# KiCad board Panel_R0.5.1_300x300_2layer_step1.kicad_pcb (continued)
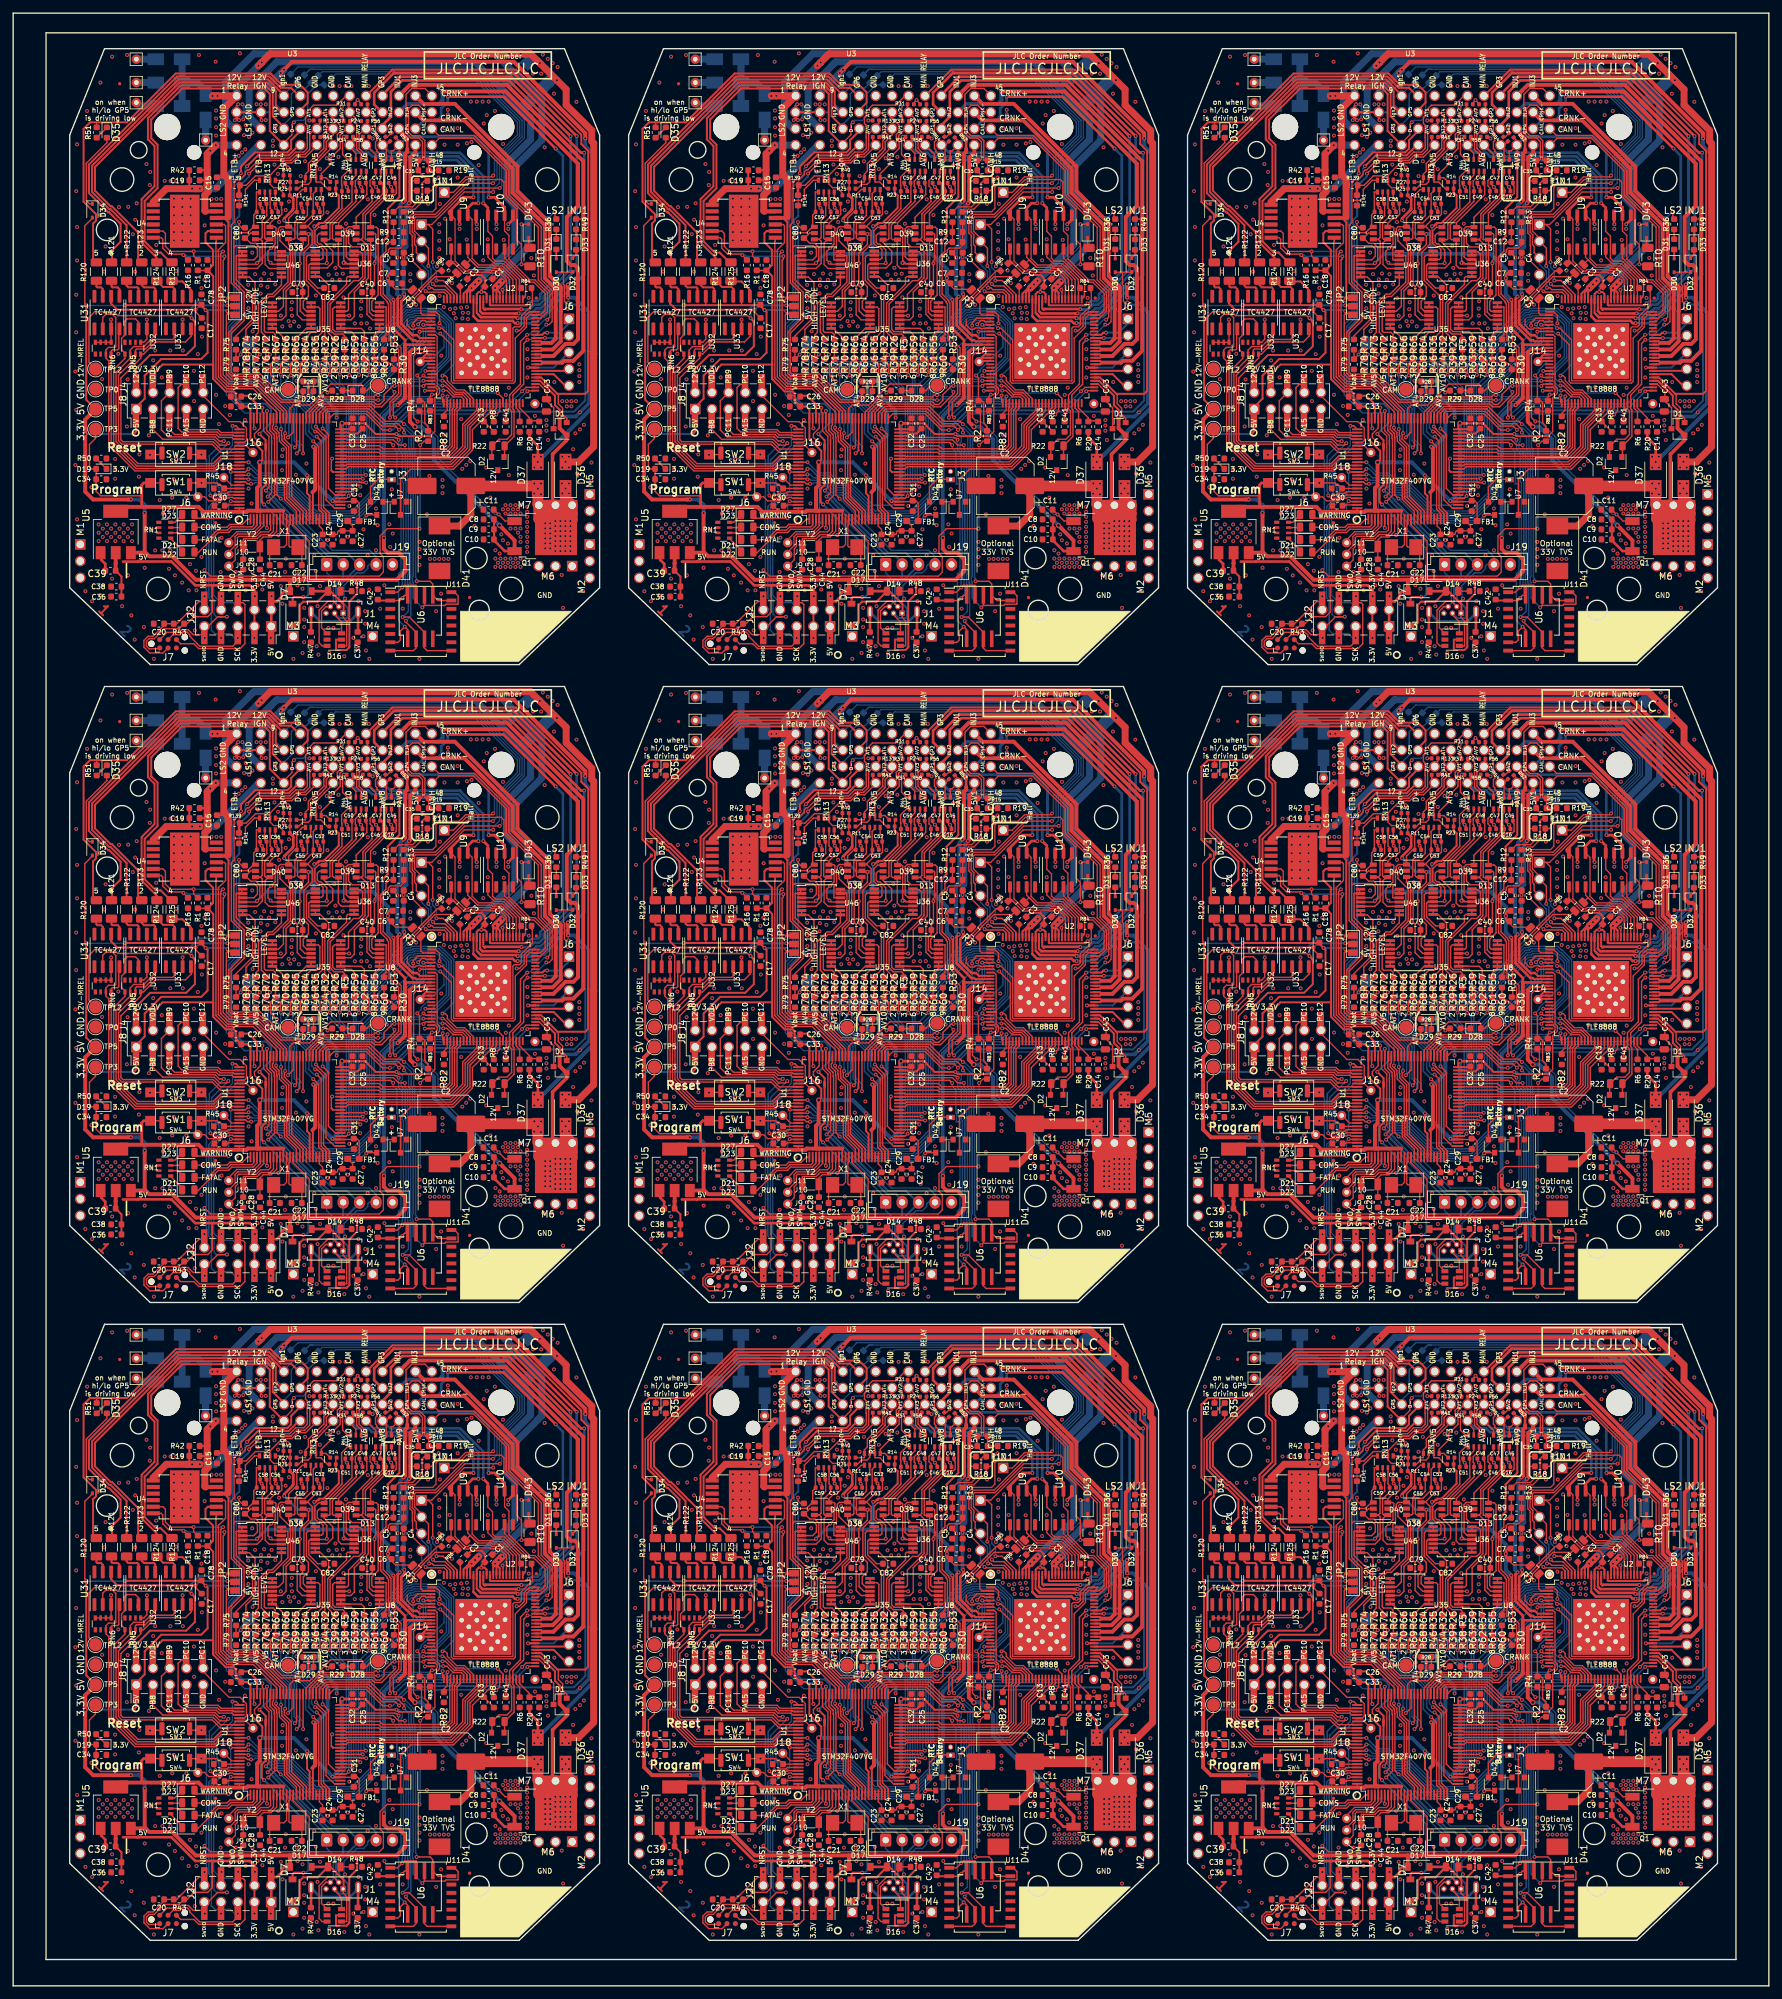
[diagram p0: board, top side]
## Routing (per net, layer and track width the routed paths; a pad name or vN(x,y) marks a point on that pad's centre or on a via; arc(x,y) is an arc through that point) (continued)
Net-(C17-Pad1): length 199.8
  Top w0.216: v1(112.75,254.9) 112.75,254.57 C17#2.1 ; v1(197.75,254.9) 197.75,254.57 C17#3.1 ; v1(197.75,157.9) 197.75,157.57 C17#5.1 ; v1(27.75,157.9) 27.75,157.57 C17#6.1 ; v1(112.75,157.9) 112.75,157.57 C17#4.1 ; v1(27.75,60.9) 27.75,60.57 C17#9.1 ; C17#8.1 112.75,60.57 v1(112.75,60.9) ; v1(197.75,60.9) 197.75,60.57 C17#7.1 ; C17.1 27.75,254.57 v1(27.75,254.9)
  Top w0.305: v1(112.75,254.9) 112.74,254.9 100.84,254.9 99.9,255.84 99.9,256.84 ; JP2#2.2 118.62,255.56 v1(117.58,255.56) 117.59,255.57 ; 202.59,255.57 v1(202.58,255.56) 203.62,255.56 JP2#3.2 ; v1(197.75,254.9) 197.74,254.9 185.84,254.9 184.9,255.84 184.9,256.84 ; 202.59,158.57 v1(202.58,158.56) 203.62,158.56 JP2#5.2 ; 184.9,159.84 184.9,158.84 185.84,157.9 197.74,157.9 v1(197.75,157.9) ; v1(27.75,157.9) 27.74,157.9 15.84,157.9 14.9,158.84 14.9,159.84 ; JP2#6.2 33.62,158.56 v1(32.58,158.56) 32.59,158.57 ; 117.59,158.57 v1(117.58,158.56) 118.62,158.56 JP2#4.2 ; v1(112.75,157.9) 112.74,157.9 100.84,157.9 99.9,158.84 99.9,159.84 ; v1(27.75,60.9) 27.74,60.9 15.84,60.9 14.9,61.84 14.9,62.84 ; JP2#9.2 33.62,61.56 v1(32.58,61.56) 32.59,61.57 ; 99.9,62.84 99.9,61.84 100.84,60.9 112.74,60.9 v1(112.75,60.9) ; JP2#7.2 118.62,61.56 v1(117.58,61.56) 117.59,61.57 ; 184.9,62.84 184.9,61.84 185.84,60.9 197.74,60.9 v1(197.75,60.9) ; JP2#8.2 203.62,61.56 v1(202.58,61.56) 202.59,61.57 ; 32.59,255.57 v1(32.58,255.56) 33.62,255.56 JP2.2 ; v1(27.75,254.9) 27.74,254.9 15.84,254.9 14.9,255.84 14.9,256.84
  Bottom w0.305: v1(117.58,255.56) 113.41,255.56 v1(112.75,254.9) ; v1(202.58,255.56) 198.41,255.56 v1(197.75,254.9) ; v1(202.58,158.56) 198.41,158.56 v1(197.75,157.9) ; v1(32.58,158.56) 28.41,158.56 v1(27.75,157.9) ; v1(117.58,158.56) 113.41,158.56 v1(112.75,157.9) ; v1(27.75,60.9) 28.41,61.56 v1(32.58,61.56) ; v1(112.75,60.9) 113.41,61.56 v1(117.58,61.56) ; v1(197.75,60.9) 198.41,61.56 v1(202.58,61.56) ; v1(27.75,254.9) 28.41,255.56 v1(32.58,255.56)
Net-(C21-Pad1): length 80.8
  Top w0.203: U1#2.12 126.59,219.2 126.18,218.8 124.62,218.8 124,218.19 C21#2.1 ; U1#3.12 211.59,219.2 211.18,218.8 209.62,218.8 209,218.19 C21#3.1 ; U1#5.12 211.59,122.2 211.18,121.8 209.62,121.8 209,121.19 C21#5.1 ; U1#4.12 41.59,122.2 41.18,121.8 X1#6.2 39,121.19 C21#4.1 ; U1#6.12 126.59,122.2 126.18,121.8 124.62,121.8 124,121.19 C21#6.1 ; U1#7.12 41.59,25.2 41.18,24.8 X1#9.2 39,24.19 C21#7.1 ; U1#9.12 126.59,25.2 126.18,24.8 124.62,24.8 124,24.19 C21#9.1 ; C21#8.1 209,24.19 209.62,24.8 211.18,24.8 211.59,25.2 U1#8.12 ; U1.12 41.59,219.2 41.18,218.8 X1.2 39,218.19 C21.1
Net-(C22-Pad1): length 80.4
  Top w0.203: 129.21,216.05 128.85,216.05 ; C22#2.1 128.91,218.21 X1#2.1 127.11,218.8 126.94,218.97 126.94,222.13 126.99,222.18 126.99,222.94 U1#2.13 ; 214.21,216.05 213.85,216.05 ; C22#3.1 213.91,218.21 X1#3.1 212.11,218.8 211.94,218.97 211.94,222.13 211.99,222.18 211.99,222.94 U1#3.13 ; 214.21,119.05 213.85,119.05 ; U1#5.13 211.99,125.94 211.99,125.18 211.94,125.13 211.94,121.97 212.11,121.8 X1#4.1 213.91,121.21 C22#5.1 ; 44.21,119.05 43.85,119.05 ; C22#6.1 43.91,121.21 X1#6.1 42.11,121.8 41.94,121.97 41.94,125.13 41.99,125.18 41.99,125.94 U1#4.13 ; 129.21,119.05 128.85,119.05 ; C22#4.1 128.91,121.21 X1#5.1 127.11,121.8 126.94,121.97 126.94,125.13 126.99,125.18 126.99,125.94 U1#6.13 ; 44.21,22.05 43.85,22.05 ; U1#7.13 41.99,28.94 41.99,28.18 41.94,28.13 41.94,24.97 42.11,24.8 X1#9.1 43.91,24.21 C22#8.1 ; 129.21,22.05 128.85,22.05 ; C22#9.1 128.91,24.21 X1#8.1 127.11,24.8 126.94,24.97 126.94,28.13 126.99,28.18 126.99,28.94 U1#9.13 ; C22#7.1 213.91,24.21 X1#7.1 212.11,24.8 211.94,24.97 211.94,28.13 211.99,28.18 211.99,28.94 U1#8.13 ; 214.21,22.05 213.85,22.05 ; C22.1 43.91,218.21 X1.1 42.11,218.8 41.94,218.97 41.94,222.13 41.99,222.18 41.99,222.94 U1.13 ; 44.21,216.05 43.85,216.05
Net-(C25-Pad1): length 33.7
  Top w0.216: 134.77,236.23 U1#2.49 ; 219.77,236.23 U1#3.49 ; 219.77,139.23 U1#5.49 ; 49.77,139.23 U1#4.49 ; 134.77,139.23 U1#6.49 ; 49.77,42.23 U1#7.49 ; 134.77,42.23 U1#9.49 ; 219.77,42.23 U1#8.49 ; 49.77,236.23 U1.49
  Top w0.305: C25#2.1 137.38,236.07 136.13,236.07 135.98,236.22 U1#2.49 ; C25#3.1 222.38,236.07 221.13,236.07 220.98,236.22 U1#3.49 ; U1#5.49 220.98,139.22 221.13,139.07 222.38,139.07 C25#5.1 ; C25#6.1 52.38,139.07 51.13,139.07 50.98,139.22 U1#4.49 ; C25#4.1 137.38,139.07 136.13,139.07 135.98,139.22 U1#6.49 ; U1#7.49 50.98,42.22 51.13,42.07 52.38,42.07 C25#9.1 ; C25#8.1 137.38,42.07 136.13,42.07 135.98,42.22 U1#9.49 ; U1#8.49 220.98,42.22 221.13,42.07 222.38,42.07 C25#7.1 ; C25.1 52.38,236.07 51.13,236.07 50.98,236.22 U1.49
Net-(C26-Pad1): length 45.3
  Top w0.305: 119.71,241.82 120.78,241.82 122.09,240.51 U1#2.73 ; 204.71,241.82 205.78,241.82 207.09,240.51 U1#3.73 ; 204.71,144.82 205.78,144.82 207.09,143.51 U1#5.73 ; 34.71,144.82 35.78,144.82 37.09,143.51 U1#4.73 ; 119.71,144.82 120.78,144.82 122.09,143.51 U1#6.73 ; 34.71,47.82 35.78,47.82 37.09,46.51 U1#7.73 ; 119.71,47.82 120.78,47.82 122.09,46.51 U1#9.73 ; U1#8.73 207.09,46.51 205.78,47.82 204.71,47.82 ; U1.73 37.09,240.51 35.78,241.82 34.71,241.82
Net-(C28-Pad1): length 89.7
  Top w0.203: 124.08,220.7 122.75,220.7 122.53,220.48 122.52,220.48 122.12,220.08 120.09,220.08 120.01,220 Y2#2.1 119.99,218.88 C28#2.1 ; C28#3.1 204.99,218.88 Y2#3.1 205.01,220 205.09,220.08 207.12,220.08 207.52,220.48 207.53,220.48 207.75,220.7 209.08,220.7 ; 39.08,123.7 37.75,123.7 37.53,123.48 37.52,123.48 37.12,123.08 35.09,123.08 35.01,123 Y2#6.1 34.99,121.88 C28#6.1 ; C28#5.1 119.99,121.88 Y2#5.1 120.01,123 120.09,123.08 122.12,123.08 122.52,123.48 122.53,123.48 122.75,123.7 124.08,123.7 ; C28#4.1 204.99,121.88 Y2#4.1 205.01,123 205.09,123.08 207.12,123.08 207.52,123.48 207.53,123.48 207.75,123.7 209.08,123.7 ; C28#8.1 119.99,24.88 Y2#8.1 120.01,26 120.09,26.08 122.12,26.08 122.52,26.48 122.53,26.48 122.75,26.7 124.08,26.7 ; C28#7.1 204.99,24.88 Y2#7.1 205.01,26 205.09,26.08 207.12,26.08 207.52,26.48 207.53,26.48 207.75,26.7 209.08,26.7 ; C28#9.1 34.99,24.88 Y2#9.1 35.01,26 35.09,26.08 37.12,26.08 37.52,26.48 37.53,26.48 37.75,26.7 39.08,26.7 ; C28.1 34.99,218.88 Y2.1 35.01,220 35.09,220.08 37.12,220.08 37.52,220.48 37.53,220.48 37.75,220.7 39.08,220.7
  Top w0.216: 124.08,220.7 124.59,221.21 U1#2.8 ; 209.08,220.7 209.59,221.21 U1#3.8 ; 39.08,123.7 39.59,124.21 U1#4.8 ; 124.08,123.7 124.59,124.21 U1#6.8 ; 209.08,123.7 209.59,124.21 U1#5.8 ; 124.08,26.7 124.59,27.21 U1#9.8 ; 209.08,26.7 209.59,27.21 U1#8.8 ; U1#7.8 39.59,27.21 39.08,26.7 ; 39.08,220.7 39.59,221.21 U1.8
Net-(C44-Pad2): length 70.9
  Top w0.203: U1#2.9 125.09,221.2 124.23,220.34 123.93,220.34 123.93,220.35 123.03,220.35 122.51,219.82 Y2#2.2 122.53,218.88 C44#2.2 ; U1#3.9 210.09,221.2 209.23,220.34 208.93,220.34 208.93,220.35 208.03,220.35 207.51,219.82 Y2#3.2 207.53,218.88 C44#3.2 ; U1#4.9 40.09,124.2 39.23,123.34 38.93,123.34 38.93,123.35 38.03,123.35 37.51,122.82 Y2#6.2 37.53,121.88 C44#6.2 ; U1#6.9 125.09,124.2 124.23,123.34 123.93,123.34 123.93,123.35 123.03,123.35 122.51,122.82 Y2#5.2 122.53,121.88 C44#5.2 ; U1#5.9 210.09,124.2 209.23,123.34 208.93,123.34 208.93,123.35 208.03,123.35 207.51,122.82 Y2#4.2 207.53,121.88 C44#4.2 ; U1#9.9 125.09,27.2 124.23,26.34 123.93,26.34 123.93,26.35 123.03,26.35 122.51,25.82 Y2#8.2 122.53,24.88 C44#8.2 ; U1#8.9 210.09,27.2 209.23,26.34 208.93,26.34 208.93,26.35 208.03,26.35 207.51,25.82 Y2#7.2 207.53,24.88 C44#7.2 ; C44#9.2 37.53,24.88 Y2#9.2 37.51,25.82 38.03,26.35 38.93,26.35 38.93,26.34 39.23,26.34 40.09,27.2 U1#7.9 ; U1.9 40.09,221.2 39.23,220.34 38.93,220.34 38.93,220.35 38.03,220.35 37.51,219.82 Y2.2 37.53,218.88 C44.2
Net-(C45-Pad1): length 240.1
  Top w0.203: C45#2.1 141.73,273.4 141.56,273.57 141.56,275.2 141.73,275.36 RN2#2.7 ; C45#3.1 226.73,273.4 226.56,273.57 226.56,275.2 226.73,275.36 RN2#3.7 ; C45#4.1 56.73,176.4 56.56,176.57 56.56,178.2 56.73,178.36 RN2#4.7 ; C45#6.1 141.73,176.4 141.56,176.57 141.56,178.2 141.73,178.36 RN2#6.7 ; C45#5.1 226.73,176.4 226.56,176.57 226.56,178.2 226.73,178.36 RN2#5.7 ; C45#7.1 56.73,79.4 56.56,79.57 56.56,81.2 56.73,81.36 RN2#7.7 ; C45#8.1 226.73,79.4 226.56,79.57 226.56,81.2 226.73,81.36 RN2#8.7 ; RN2#9.7 141.73,81.36 141.56,81.2 141.56,79.57 141.73,79.4 C45#9.1 ; RN2.7 56.73,275.36 56.56,275.2 56.56,273.57 56.73,273.4 C45.1
  Top w0.216: U8#2.3 139.64,253.36 138.81,254.19 138.81,258.31 139.37,258.87 139.37,265.28 139.71,265.62 ; C45#2.1 141.73,272.48 138.56,269.32 138.56,265.6 138.61,265.55 D13#2.4 ; 224.71,265.62 224.37,265.28 224.37,258.87 223.81,258.31 223.81,254.19 224.64,253.36 U8#3.3 ; C45#3.1 226.73,272.48 223.56,269.32 223.56,265.6 223.61,265.55 D13#3.4 ; U8#6.3 54.64,156.36 53.81,157.19 53.81,161.31 54.37,161.87 54.37,168.28 54.71,168.62 ; C45#4.1 56.73,175.48 53.56,172.32 53.56,168.6 53.61,168.55 D13#4.4 ; 139.71,168.62 139.37,168.28 139.37,161.87 138.81,161.31 138.81,157.19 139.64,156.36 U8#5.3 ; C45#6.1 141.73,175.48 138.56,172.32 138.56,168.6 138.61,168.55 D13#6.4 ; U8#4.3 224.64,156.36 223.81,157.19 223.81,161.31 224.37,161.87 224.37,168.28 224.71,168.62 ; C45#5.1 226.73,175.48 223.56,172.32 223.56,168.6 223.61,168.55 D13#5.4 ; 54.71,71.62 54.37,71.28 54.37,64.87 53.81,64.31 53.81,60.19 54.64,59.36 U8#9.3 ; C45#7.1 56.73,78.48 53.56,75.32 53.56,71.6 53.61,71.55 D13#7.4 ; U8#7.3 224.64,59.36 223.81,60.19 223.81,64.31 224.37,64.87 224.37,71.28 224.71,71.62 ; C45#8.1 226.73,78.48 223.56,75.32 223.56,71.6 223.61,71.55 D13#8.4 ; C45#9.1 141.73,78.48 138.56,75.32 138.56,71.6 138.61,71.55 D13#9.4 ; U8#8.3 139.64,59.36 138.81,60.19 138.81,64.31 139.37,64.87 139.37,71.28 139.71,71.62 ; D13.4 53.61,265.55 53.56,265.6 53.56,269.32 56.73,272.48 C45.1 ; U8.3 54.64,253.36 53.81,254.19 53.81,258.31 54.37,258.87 54.37,265.28 54.71,265.62
Net-(C46-Pad1): length 255
  Top w0.203: RN2#2.6 140.93,274.94 140.79,274.81 C46#2.1 ; RN2#3.6 225.93,274.94 225.8,274.81 C46#3.1 ; RN2#4.6 55.93,177.94 55.8,177.81 C46#4.1 ; RN2#6.6 140.93,177.94 140.79,177.81 C46#6.1 ; RN2#5.6 225.93,177.94 225.8,177.81 C46#5.1 ; C46#7.1 55.8,80.81 55.93,80.94 RN2#7.6 ; C46#8.1 225.8,80.81 225.93,80.94 RN2#8.6 ; C46#9.1 140.79,80.81 140.93,80.94 RN2#9.6 ; C46.1 55.8,274.81 55.93,274.94 RN2.6
  Top w0.216: 137.9,265.55 137.98,265.55 139,264.54 139,259.71 136.88,257.59 136.88,253.88 136.36,253.36 U8#2.12 ; 137.9,265.55 137.9,265.59 137.95,265.64 ; 137.9,265.55 D13#2.3 ; 137.9,265.55 138.19,265.85 138.19,269.47 141.17,272.45 141.17,274.12 141.09,274.2 C46#2.1 ; 222.9,265.55 222.98,265.55 224,264.54 224,259.71 221.88,257.59 221.88,253.88 221.36,253.36 U8#3.12 ; 222.9,265.55 222.9,265.59 222.95,265.64 ; 222.9,265.55 223.19,265.85 223.19,269.47 226.17,272.45 226.17,274.12 226.09,274.2 C46#3.1 ; 222.9,265.55 D13#3.3 ; 52.9,168.55 52.98,168.55 54,167.54 54,162.71 51.88,160.59 51.88,156.88 51.36,156.36 U8#6.12 ; 52.9,168.55 52.9,168.59 52.95,168.64 ; 52.9,168.55 D13#4.3 ; 52.9,168.55 53.19,168.85 53.19,172.47 56.17,175.45 56.17,177.12 56.09,177.2 C46#4.1 ; 137.9,168.55 137.98,168.55 139,167.54 139,162.71 136.88,160.59 136.88,156.88 136.36,156.36 U8#5.12 ; 137.9,168.55 137.9,168.59 137.95,168.64 ; 137.9,168.55 138.19,168.85 138.19,172.47 141.17,175.45 141.17,177.12 141.09,177.2 C46#6.1 ; 137.9,168.55 D13#6.3 ; U8#4.12 221.36,156.36 221.88,156.88 221.88,160.59 224,162.71 224,167.54 222.98,168.55 222.9,168.55 ; C46#5.1 226.09,177.2 226.17,177.12 226.17,175.45 223.19,172.47 223.19,168.85 222.9,168.55 ; 222.9,168.55 222.9,168.59 222.95,168.64 ; 222.9,168.55 D13#5.3 ; 52.9,71.55 52.98,71.55 54,70.54 54,65.71 51.88,63.59 51.88,59.88 51.36,59.36 U8#9.12 ; 52.9,71.55 52.9,71.59 52.95,71.64 ; 52.9,71.55 53.19,71.85 53.19,75.47 56.17,78.45 56.17,80.12 56.09,80.2 C46#7.1 ; 52.9,71.55 D13#7.3 ; U8#7.12 221.36,59.36 221.88,59.88 221.88,63.59 224,65.71 224,70.54 222.98,71.55 222.9,71.55 ; 222.9,71.55 222.9,71.59 222.95,71.64 ; 222.9,71.55 223.19,71.85 223.19,75.47 226.17,78.45 226.17,80.12 226.09,80.2 C46#8.1 ; 222.9,71.55 D13#8.3 ; 137.95,71.64 137.9,71.59 137.9,71.55 ; 137.9,71.55 138.19,71.85 138.19,75.47 141.17,78.45 141.17,80.12 141.09,80.2 C46#9.1 ; 137.9,71.55 D13#9.3 ; 137.9,71.55 137.98,71.55 139,70.54 139,65.71 136.88,63.59 136.88,59.88 136.36,59.36 U8#8.12 ; C46.1 56.09,274.2 56.17,274.12 56.17,272.45 53.19,269.47 53.19,265.85 52.9,265.55 ; 52.95,265.64 52.9,265.59 52.9,265.55 ; 52.9,265.55 D13.3 ; 52.9,265.55 52.98,265.55 54,264.54 54,259.71 51.88,257.59 51.88,253.88 51.36,253.36 U8.12
Net-(C47-Pad1): length 254.2
  Top w0.203: RN2#2.5 140.13,275.36 139.98,275.22 139.95,275.22 139.28,274.54 139.28,273.71 139.57,273.42 C47#2.1 ; RN2#3.5 225.13,275.36 224.98,275.22 224.95,275.22 224.28,274.54 224.28,273.71 224.57,273.42 224.57,272.93 ; RN2#4.5 55.13,178.36 54.98,178.22 54.95,178.22 54.28,177.54 54.28,176.71 54.57,176.42 C47#4.1 ; RN2#6.5 140.13,178.36 139.98,178.22 139.95,178.22 139.28,177.54 139.28,176.71 139.57,176.42 C47#6.1 ; RN2#5.5 225.13,178.36 224.98,178.22 224.95,178.22 224.28,177.54 224.28,176.71 224.57,176.42 224.57,175.93 ; RN2#7.5 55.13,81.36 54.98,81.22 54.95,81.22 54.28,80.54 54.28,79.71 54.57,79.42 C47#8.1 ; RN2#8.5 225.13,81.36 224.98,81.22 224.95,81.22 224.28,80.54 224.28,79.71 224.57,79.42 224.57,78.93 ; RN2#9.5 140.13,81.36 139.98,81.22 139.95,81.22 139.28,80.54 139.28,79.71 139.57,79.42 C47#9.1 ; RN2.5 55.13,275.36 54.98,275.22 54.95,275.22 54.28,274.54 54.28,273.71 54.57,273.42 C47.1
  Top w0.216: C47#2.1 139.57,271.37 137.15,268.95 D13#2.1 137.09,267.52 135.98,267.52 135.65,267.19 135.65,266.69 136.02,266.32 136.02,264.98 136.55,264.45 137.85,264.45 138.52,263.78 138.52,259.75 136,257.23 136,254.89 135.76,254.66 U8#2.10 ; 224.57,272.93 224.57,271.37 222.15,268.95 D13#3.1 222.09,267.52 220.98,267.52 220.65,267.19 220.65,266.69 221.02,266.32 221.02,264.98 221.55,264.45 222.85,264.45 223.52,263.78 223.52,259.75 221,257.23 221,254.89 220.76,254.66 U8#3.10 ; C47#4.1 54.57,174.37 52.15,171.95 D13#4.1 52.09,170.52 50.98,170.52 50.65,170.19 50.65,169.69 51.02,169.32 51.02,167.98 51.55,167.45 52.85,167.45 53.52,166.78 53.52,162.75 51,160.23 51,157.89 50.76,157.66 U8#6.10 ; C47#6.1 139.57,174.37 137.15,171.95 D13#6.1 137.09,170.52 135.98,170.52 135.65,170.19 135.65,169.69 136.02,169.32 136.02,167.98 136.55,167.45 137.85,167.45 138.52,166.78 138.52,162.75 136,160.23 136,157.89 135.76,157.66 U8#5.10 ; U8#4.10 220.76,157.66 221,157.89 221,160.23 223.52,162.75 223.52,166.78 222.85,167.45 221.55,167.45 221.02,167.98 221.02,169.32 220.65,169.69 220.65,170.19 220.98,170.52 222.09,170.52 D13#5.1 222.15,171.95 224.57,174.37 224.57,175.93 ; C47#8.1 54.57,77.37 52.15,74.95 D13#7.1 52.09,73.52 50.98,73.52 50.65,73.19 50.65,72.69 51.02,72.32 51.02,70.98 51.55,70.45 52.85,70.45 53.52,69.78 53.52,65.75 51,63.23 51,60.89 50.76,60.66 U8#9.10 ; U8#7.10 220.76,60.66 221,60.89 221,63.23 223.52,65.75 223.52,69.78 222.85,70.45 221.55,70.45 221.02,70.98 221.02,72.32 220.65,72.69 220.65,73.19 220.98,73.52 222.09,73.52 D13#8.1 222.15,74.95 224.57,77.37 224.57,78.93 ; C47#9.1 139.57,77.37 137.15,74.95 D13#9.1 137.09,73.52 135.98,73.52 135.65,73.19 135.65,72.69 136.02,72.32 136.02,70.98 136.55,70.45 137.85,70.45 138.52,69.78 138.52,65.75 136,63.23 136,60.89 135.76,60.66 U8#8.10 ; C47.1 54.57,271.37 52.15,268.95 D13.1 52.09,267.52 50.98,267.52 50.65,267.19 50.65,266.69 51.02,266.32 51.02,264.98 51.55,264.45 52.85,264.45 53.52,263.78 53.52,259.75 51,257.23 51,254.89 50.76,254.66 U8.10
Net-(C48-Pad1): length 153.8
  Top w0.216: RN4#2.8 138.72,274.28 C48#2.1 138.64,273.88 138.79,273.73 138.79,272.42 134.49,268.13 D39#2.3 135.1,267.45 135.28,267.27 135.28,266.52 135.65,266.15 135.65,262.96 136.08,262.53 U36#2.12 ; RN4#3.8 223.72,274.28 C48#3.1 223.64,273.88 223.79,273.73 223.79,272.42 219.49,268.13 D39#3.3 220.1,267.45 220.28,267.27 220.28,266.52 220.65,266.15 220.65,262.96 221.08,262.53 U36#3.12 ; RN4#4.8 53.72,177.28 C48#4.1 53.64,176.88 53.79,176.73 53.79,175.42 49.49,171.13 D39#4.3 50.1,170.45 50.28,170.27 50.28,169.52 50.65,169.15 50.65,165.96 51.08,165.53 U36#6.12 ; RN4#6.8 138.72,177.28 C48#6.1 138.64,176.88 138.79,176.73 138.79,175.42 134.49,171.13 D39#6.3 135.1,170.45 135.28,170.27 135.28,169.52 135.65,169.15 135.65,165.96 136.08,165.53 U36#4.12 ; RN4#5.8 223.72,177.28 C48#5.1 223.64,176.88 223.79,176.73 223.79,175.42 219.49,171.13 D39#5.3 220.1,170.45 220.28,170.27 220.28,169.52 220.65,169.15 220.65,165.96 221.08,165.53 U36#5.12 ; RN4#7.8 53.72,80.28 C48#8.1 53.64,79.88 53.79,79.73 53.79,78.42 49.49,74.13 D39#7.3 50.1,73.45 50.28,73.27 50.28,72.52 50.65,72.15 50.65,68.96 51.08,68.53 U36#9.12 ; U36#7.12 221.08,68.53 220.65,68.96 220.65,72.15 220.28,72.52 220.28,73.27 220.1,73.45 D39#8.3 219.49,74.13 223.79,78.42 223.79,79.73 223.64,79.88 C48#7.1 223.72,80.28 RN4#8.8 ; RN4#9.8 138.72,80.28 C48#9.1 138.64,79.88 138.79,79.73 138.79,78.42 134.49,74.13 D39#9.3 135.1,73.45 135.28,73.27 135.28,72.52 135.65,72.15 135.65,68.96 136.08,68.53 U36#8.12 ; RN4.8 53.72,274.28 C48.1 53.64,273.88 53.79,273.73 53.79,272.42 49.49,268.13 D39.3 50.1,267.45 50.28,267.27 50.28,266.52 50.65,266.15 50.65,262.96 51.08,262.53 U36.12
Net-(C49-Pad1): length 177.2
  Top w0.216: RN4#2.7 137.92,275.35 137.03,274.47 137.03,273.63 137.16,273.5 137.16,271.4 133.55,267.8 133.55,265.75 133.74,265.55 D39#2.1 134.45,265.52 134.45,261.65 134.9,261.2 136.76,261.2 136.84,261.12 ; RN4#3.7 222.92,275.35 222.03,274.47 222.03,273.63 222.16,273.5 222.16,271.4 218.55,267.8 218.55,265.75 218.74,265.55 D39#3.1 219.45,265.52 219.45,261.65 219.9,261.2 221.76,261.2 221.84,261.12 ; RN4#4.7 52.92,178.35 52.03,177.47 52.03,176.63 52.16,176.5 52.16,174.4 48.55,170.8 48.55,168.75 48.74,168.55 D39#4.1 49.45,168.52 49.45,164.65 49.9,164.2 51.76,164.2 51.84,164.12 ; RN4#6.7 137.92,178.35 137.03,177.47 137.03,176.63 137.16,176.5 137.16,174.4 133.55,170.8 133.55,168.75 133.74,168.55 D39#6.1 134.45,168.52 134.45,164.65 134.9,164.2 136.76,164.2 136.84,164.12 ; 221.84,164.12 221.76,164.2 219.9,164.2 219.45,164.65 219.45,168.52 D39#5.1 218.74,168.55 218.55,168.75 218.55,170.8 222.16,174.4 222.16,176.5 222.03,176.63 222.03,177.47 222.92,178.35 RN4#5.7 ; RN4#7.7 52.92,81.35 52.03,80.47 52.03,79.63 52.16,79.5 52.16,77.4 48.55,73.8 48.55,71.75 48.74,71.55 D39#7.1 49.45,71.52 49.45,67.65 49.9,67.2 51.76,67.2 51.84,67.12 ; 221.84,67.12 221.76,67.2 219.9,67.2 219.45,67.65 219.45,71.52 D39#8.1 218.74,71.55 218.55,71.75 218.55,73.8 222.16,77.4 222.16,79.5 222.03,79.63 222.03,80.47 222.92,81.35 RN4#8.7 ; 136.84,67.12 136.76,67.2 134.9,67.2 134.45,67.65 134.45,71.52 D39#9.1 133.74,71.55 133.55,71.75 133.55,73.8 137.16,77.4 137.16,79.5 137.03,79.63 137.03,80.47 137.92,81.35 RN4#9.7 ; RN4.7 52.92,275.35 52.03,274.47 52.03,273.63 52.16,273.5 52.16,271.4 48.55,267.8 48.55,265.75 48.74,265.55 D39.1 49.45,265.52 49.45,261.65 49.9,261.2 51.76,261.2 51.84,261.12
Net-(C50-Pad1): length 179.2
  Top w0.216: 130.94,261.22 130.97,261.25 132.75,261.25 133.6,262.1 133.6,263.83 132.31,265.12 132.31,265.53 D39#2.6 133.03,265.55 133.18,265.7 133.18,267.95 136.52,271.29 136.52,273.83 136.48,273.88 C50#2.1 136.48,274.71 137.12,275.35 RN4#2.6 ; RN4#3.6 222.12,275.35 221.48,274.71 C50#3.1 221.48,273.88 221.52,273.83 221.52,271.29 218.18,267.95 218.18,265.7 218.03,265.55 D39#3.6 217.31,265.53 217.31,265.12 218.6,263.83 218.6,262.1 217.75,261.25 215.97,261.25 215.94,261.22 ; 45.94,164.22 45.97,164.25 47.75,164.25 48.6,165.1 48.6,166.83 47.31,168.12 47.31,168.53 D39#4.6 48.03,168.55 48.18,168.7 48.18,170.95 51.52,174.29 51.52,176.83 51.48,176.88 C50#4.1 51.48,177.71 52.12,178.35 RN4#4.6 ; RN4#6.6 137.12,178.35 136.48,177.71 C50#6.1 136.48,176.88 136.52,176.83 136.52,174.29 133.18,170.95 133.18,168.7 133.03,168.55 D39#6.6 132.31,168.53 132.31,168.12 133.6,166.83 133.6,165.1 132.75,164.25 130.97,164.25 130.94,164.22 ; RN4#5.6 222.12,178.35 221.48,177.71 C50#5.1 221.48,176.88 221.52,176.83 221.52,174.29 218.18,170.95 218.18,168.7 218.03,168.55 D39#5.6 217.31,168.53 217.31,168.12 218.6,166.83 218.6,165.1 217.75,164.25 215.97,164.25 215.94,164.22 ; 130.94,67.22 130.97,67.25 132.75,67.25 133.6,68.1 133.6,69.83 132.31,71.12 132.31,71.53 D39#9.6 133.03,71.55 133.18,71.7 133.18,73.95 136.52,77.29 136.52,79.83 136.48,79.88 C50#9.1 136.48,80.71 137.12,81.35 RN4#9.6 ; RN4#7.6 52.12,81.35 51.48,80.71 C50#7.1 51.48,79.88 51.52,79.83 51.52,77.29 48.18,73.95 48.18,71.7 48.03,71.55 D39#7.6 47.31,71.53 47.31,71.12 48.6,69.83 48.6,68.1 47.75,67.25 45.97,67.25 45.94,67.22 ; 215.94,67.22 215.97,67.25 217.75,67.25 218.6,68.1 218.6,69.83 217.31,71.12 217.31,71.53 D39#8.6 218.03,71.55 218.18,71.7 218.18,73.95 221.52,77.29 221.52,79.83 221.48,79.88 C50#8.1 221.48,80.71 222.12,81.35 RN4#8.6 ; RN4.6 52.12,275.35 51.48,274.71 C50.1 51.48,273.88 51.52,273.83 51.52,271.29 48.18,267.95 48.18,265.7 48.03,265.55 D39.6 47.31,265.53 47.31,265.12 48.6,263.83 48.6,262.1 47.75,261.25 45.97,261.25 45.94,261.22
Net-(C51-Pad1): length 165
  Top w0.216: RN4#2.5 135.85,275.97 134.95,275.07 134.95,273.86 135,273.81 135,270.29 132.29,267.58 D39#2.4 131.45,267.45 130.88,266.88 130.88,265 131.4,264.48 131.7,264.48 132.12,264.06 132.12,262.77 131.88,262.53 U36#2.3 130.94,262.42 ; RN4#3.5 220.85,275.97 219.95,275.07 219.95,273.86 220,273.81 220,270.29 217.29,267.58 D39#3.4 216.45,267.45 215.88,266.88 215.88,265 216.4,264.48 216.7,264.48 217.12,264.06 217.12,262.77 216.88,262.53 U36#3.3 215.94,262.42 ; RN4#4.5 50.85,178.97 49.95,178.07 49.95,176.86 50,176.81 50,173.29 47.29,170.58 D39#4.4 46.45,170.45 45.88,169.88 45.88,168 46.4,167.48 46.7,167.48 47.12,167.06 47.12,165.77 46.88,165.53 U36#6.3 45.94,165.42 ; RN4#6.5 135.85,178.97 134.95,178.07 134.95,176.86 135,176.81 135,173.29 132.29,170.58 D39#6.4 131.45,170.45 130.88,169.88 130.88,168 131.4,167.48 131.7,167.48 132.12,167.06 132.12,165.77 131.88,165.53 U36#4.3 130.94,165.42 ; RN4#5.5 220.85,178.97 219.95,178.07 219.95,176.86 220,176.81 220,173.29 217.29,170.58 D39#5.4 216.45,170.45 215.88,169.88 215.88,168 216.4,167.48 216.7,167.48 217.12,167.06 217.12,165.77 216.88,165.53 U36#5.3 215.94,165.42 ; 130.94,68.42 U36#8.3 131.88,68.53 132.12,68.77 132.12,70.06 131.7,70.48 131.4,70.48 130.88,71 130.88,72.88 131.45,73.45 D39#9.4 132.29,73.58 135,76.29 135,79.81 134.95,79.86 134.95,81.07 135.85,81.97 RN4#9.5 ; 45.94,68.42 U36#9.3 46.88,68.53 47.12,68.77 47.12,70.06 46.7,70.48 46.4,70.48 45.88,71 45.88,72.88 46.45,73.45 D39#7.4 47.29,73.58 50,76.29 50,79.81 49.95,79.86 49.95,81.07 50.85,81.97 RN4#7.5 ; RN4#8.5 220.85,81.97 219.95,81.07 219.95,79.86 220,79.81 220,76.29 217.29,73.58 D39#8.4 216.45,73.45 215.88,72.88 215.88,71 216.4,70.48 216.7,70.48 217.12,70.06 217.12,68.77 216.88,68.53 U36#7.3 215.94,68.42 ; RN4.5 50.85,275.97 49.95,275.07 49.95,273.86 50,273.81 50,270.29 47.29,267.58 D39.4 46.45,267.45 45.88,266.88 45.88,265 46.4,264.48 46.7,264.48 47.12,264.06 47.12,262.77 46.88,262.53 U36.3 45.94,262.42
Net-(C52-Pad1): length 213.2
  Top w0.216: U35#2.5 129.63,254.66 129.13,255.16 129.13,256.2 129.9,256.97 129.9,258.4 129.22,259.08 129.22,263.62 130.47,264.87 130.47,266.14 130.47,266.15 130.47,266.9 129.84,267.53 D38#2.6 129.7,267.53 131.35,269.18 131.97,269.18 132.21,269.41 132.21,270.66 132.16,270.71 C52#2.1 132.16,271.81 131.86,272.11 RN3#2.8 ; U35#3.5 214.63,254.66 214.13,255.16 214.13,256.2 214.9,256.97 214.9,258.4 214.22,259.08 214.22,263.62 215.47,264.87 215.47,266.14 215.47,266.15 215.47,266.9 214.84,267.53 D38#3.6 214.7,267.53 216.35,269.18 216.97,269.18 217.21,269.41 217.21,270.66 217.16,270.71 C52#3.1 217.16,271.81 216.86,272.11 RN3#3.8 ; U35#4.5 44.63,157.66 44.13,158.16 44.13,159.2 44.9,159.97 44.9,161.4 44.22,162.08 44.22,166.62 45.47,167.87 45.47,169.14 45.47,169.15 45.47,169.9 44.84,170.53 44.09,170.53 44.7,170.53 46.35,172.18 46.97,172.18 47.21,172.41 47.21,173.66 47.16,173.71 C52#4.1 47.16,174.81 46.86,175.11 RN3#6.8 ; U35#6.5 129.63,157.66 129.13,158.16 129.13,159.2 129.9,159.97 129.9,161.4 129.22,162.08 129.22,166.62 130.47,167.87 130.47,169.14 130.47,169.15 130.47,169.9 129.84,170.53 129.09,170.53 129.7,170.53 131.35,172.18 131.97,172.18 132.21,172.41 132.21,173.66 132.16,173.71 C52#6.1 132.16,174.81 131.86,175.11 RN3#4.8 ; RN3#5.8 216.86,175.11 217.16,174.81 C52#5.1 217.16,173.71 217.21,173.66 217.21,172.41 216.97,172.18 216.35,172.18 214.7,170.53 214.09,170.53 214.84,170.53 215.47,169.9 215.47,169.15 215.47,169.14 215.47,167.87 214.22,166.62 214.22,162.08 214.9,161.4 214.9,159.97 214.13,159.2 214.13,158.16 214.63,157.66 U35#5.5 ; U35#9.5 129.63,60.66 129.13,61.16 129.13,62.2 129.9,62.97 129.9,64.4 129.22,65.08 129.22,69.62 130.47,70.87 130.47,72.14 130.47,72.15 130.47,72.9 129.84,73.53 D38#8.6 129.7,73.53 131.35,75.18 131.97,75.18 132.21,75.41 132.21,76.66 132.16,76.71 C52#9.1 132.16,77.81 131.86,78.11 RN3#8.8 ; U35#7.5 44.63,60.66 44.13,61.16 44.13,62.2 44.9,62.97 44.9,64.4 44.22,65.08 44.22,69.62 45.47,70.87 45.47,72.14 45.47,72.15 45.47,72.9 44.84,73.53 D38#9.6 44.7,73.53 46.35,75.18 46.97,75.18 47.21,75.41 47.21,76.66 47.16,76.71 C52#8.1 47.16,77.81 46.86,78.11 RN3#9.8 ; RN3#7.8 216.86,78.11 217.16,77.81 C52#7.1 217.16,76.71 217.21,76.66 217.21,75.41 216.97,75.18 216.35,75.18 214.7,73.53 D38#7.6 214.84,73.53 215.47,72.9 215.47,72.15 215.47,72.14 215.47,70.87 214.22,69.62 214.22,65.08 214.9,64.4 214.9,62.97 214.13,62.2 214.13,61.16 214.63,60.66 U35#8.5 ; RN3.8 46.86,272.11 47.16,271.81 C52.1 47.16,270.71 47.21,270.66 47.21,269.41 46.97,269.18 46.35,269.18 44.7,267.53 D38.6 44.84,267.53 45.47,266.9 45.47,266.15 45.47,266.14 45.47,264.87 44.22,263.62 44.22,259.08 44.9,258.4 44.9,256.97 44.13,256.2 44.13,255.16 44.63,254.66 U35.5
